# KiCad board kup-lulz.kicad_pcb (continued)
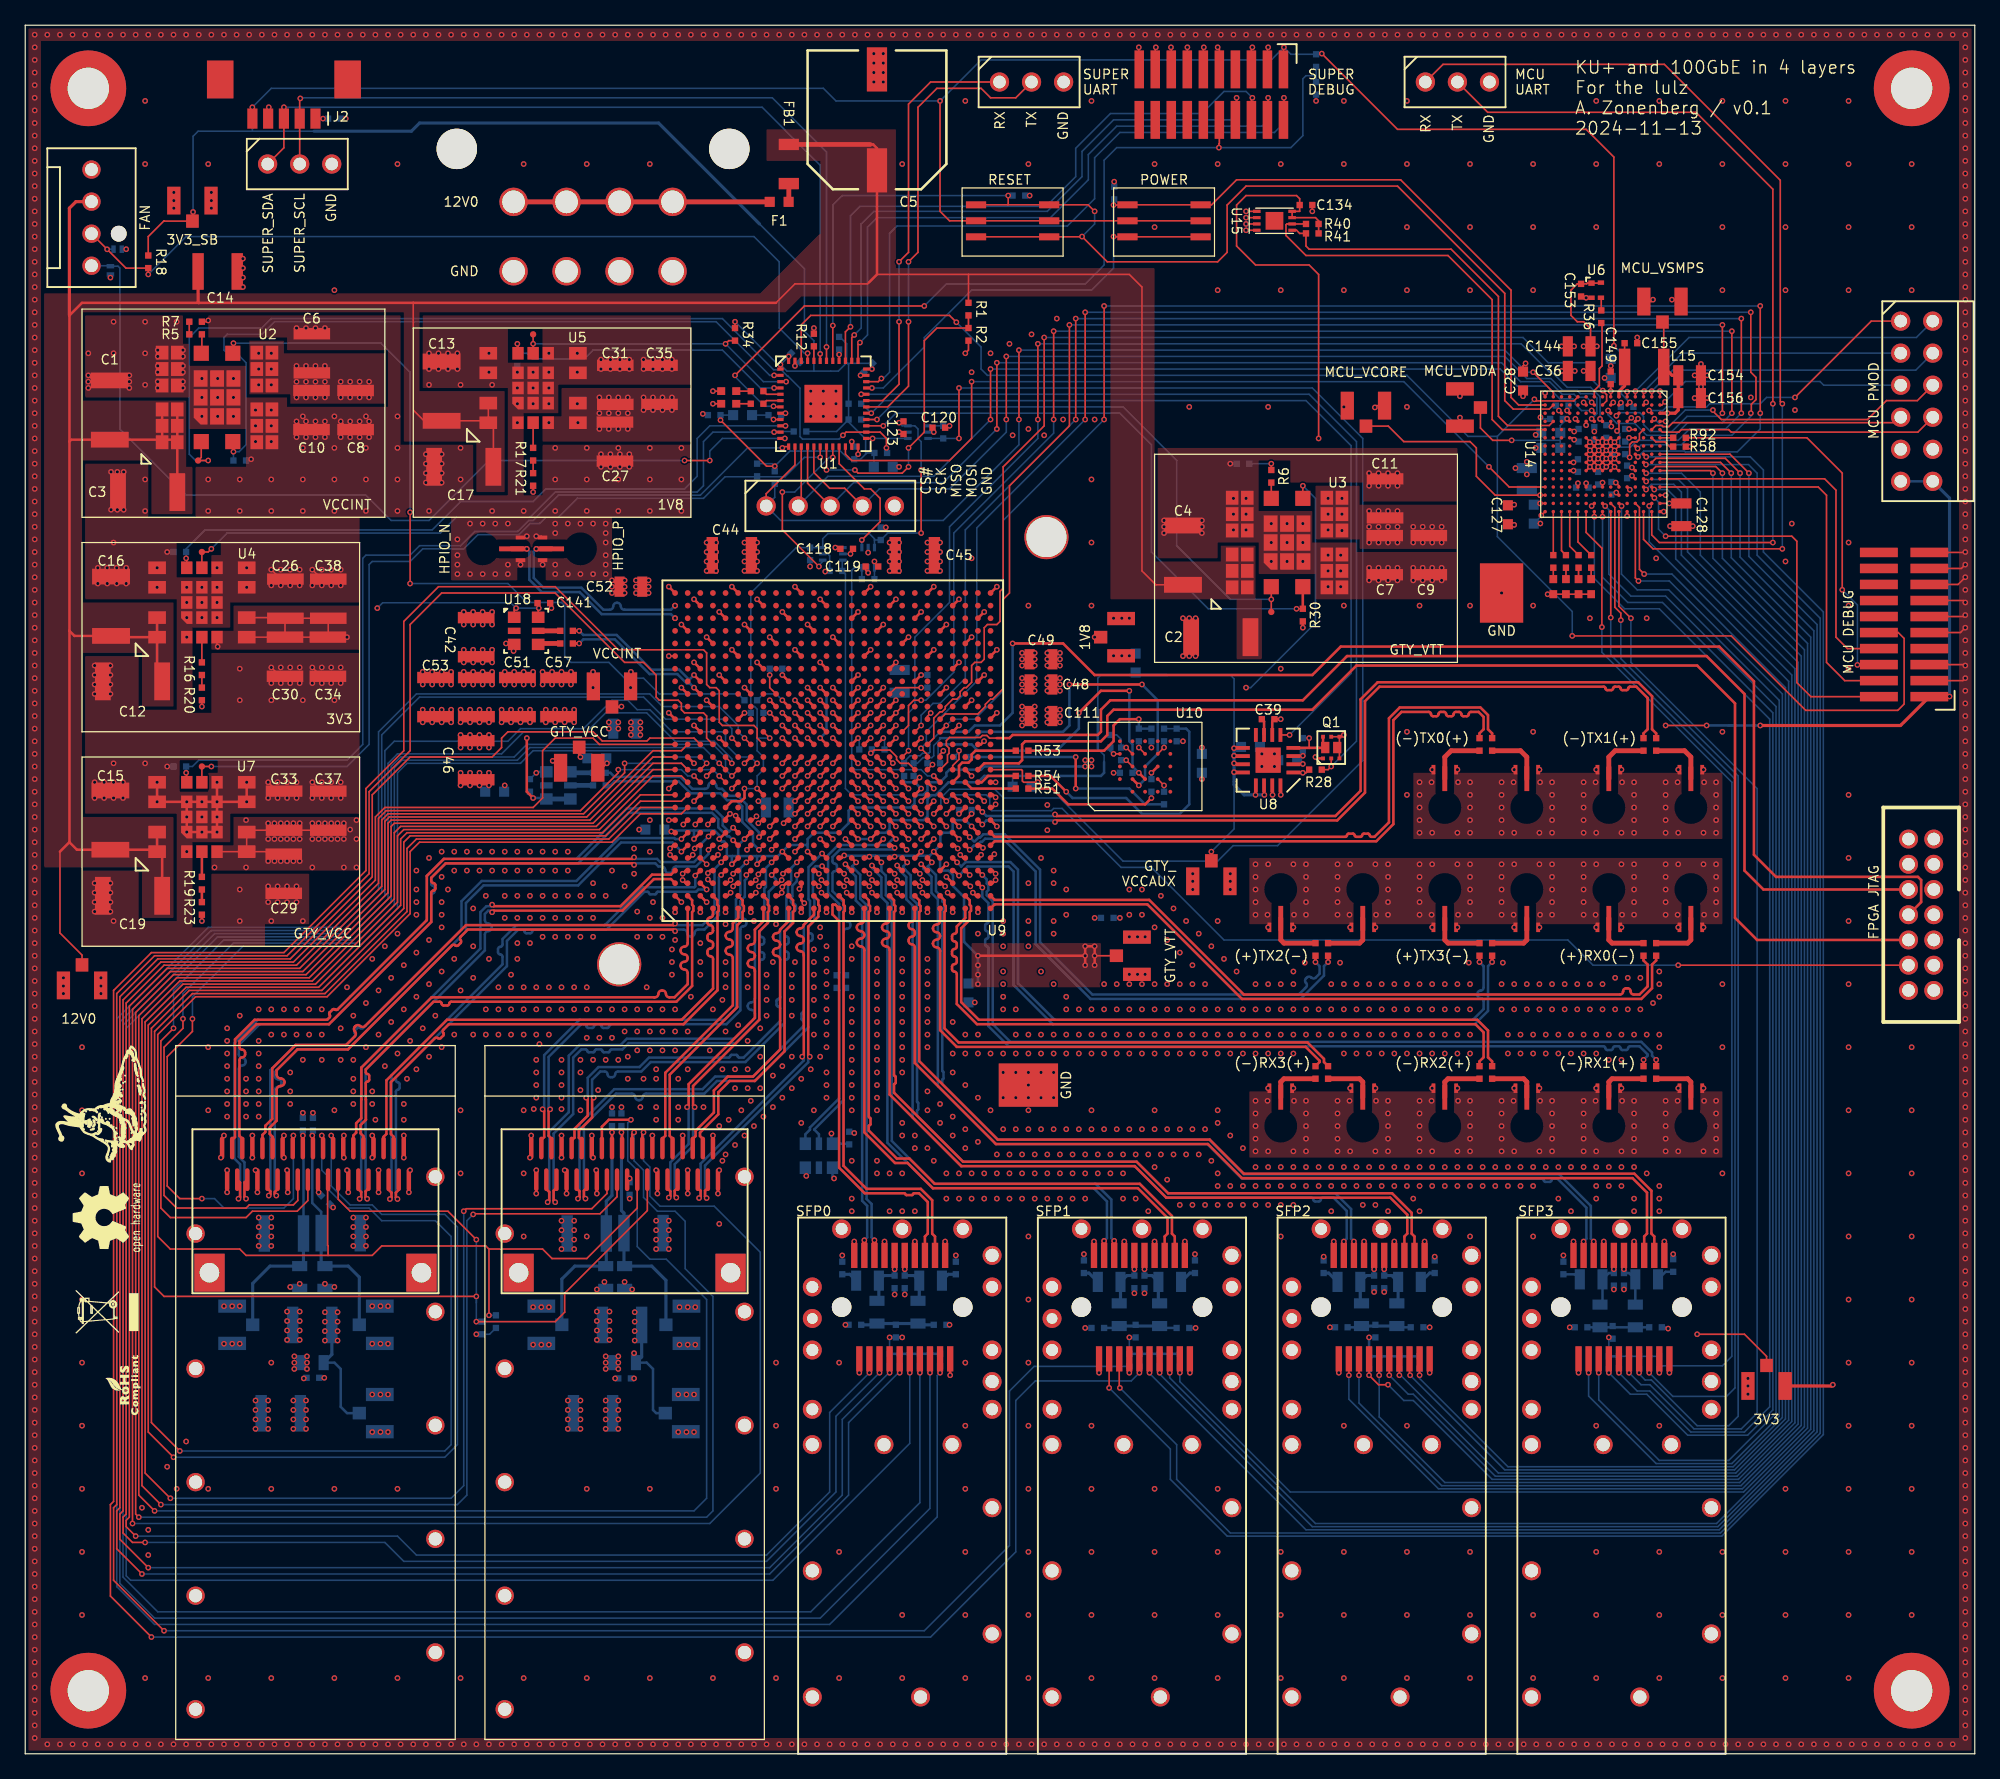
[diagram p0: board, top side]
## Placement (name value [footprint] x y rotation side) (continued)
C151  0.47 uF  [EIA_0402_CAP_NOSILK]  123.4 100.35 0 bottom
C152  0.47 uF  [EIA_0402_CAP_NOSILK]  125.7 100.3 270 bottom
C153  0.47 uF  [EIA_0402_CAP_NOSILK]  123.3 116 270 top
C154  10 uF  [EIA_0805_CAP_NOSILK]  131.9 109.25 0 top
C155  220 pF  [EIA_0402_CAP_NOSILK]  127.25 111.8 0 top
C156  10 uF  [EIA_0805_CAP_NOSILK]  131.9 107.45 0 top
C157  4.7 uF  [EIA_0603_CAP_NOSILK]  45.3 78.9 0 bottom
C158  4.7 uF  [EIA_0603_CAP_NOSILK]  74.75 60.3 270 bottom
C159  4.7 uF  [EIA_0603_CAP_NOSILK]  88 86.45 90 bottom
C160  4.7 uF  [EIA_0603_CAP_NOSILK]  79 76.65 0 bottom
C161  4.7 uF  [EIA_0603_CAP_NOSILK]  49.9 73.25 180 bottom
C162  4.7 uF  [EIA_0603_CAP_NOSILK]  37.2 76.25 180 bottom
D1  GREEN  [EIA_0402_LED]  55.75 108 0 top
D2  RED  [EIA_0402_LED]  55.75 107 0 top
D3  SZESD7471N2T5G  [SOD882]  7.32 119.25 180 bottom
D4  SZESD7471N2T5G  [SOD882]  6.75 117.58 90 bottom
D5  GREEN  [EIA_0402_LED]  124.1 92.5 90 top
D6  GREEN  [EIA_0402_LED]  123.1 92.5 90 top
D7  GREEN  [EIA_0402_LED]  122.1 92.5 90 top
D8  GREEN  [EIA_0402_LED]  121.1 92.5 90 top
F1  2A  [EIA_0603_CAP_NOSILK]  59.75 123 0 top
FB1  BLM31KN271SH1L  [EIA_1206_CAP_NOSILK]  60.5 126 90 top
FB2  MI0603J601R-10  [EIA_0603_INDUCTOR_NOSILK]  56.85 106.1 180 bottom
FB3  MI0603J601R-10  [EIA_0603_INDUCTOR_NOSILK]  120.9 103.5 0 bottom
J1  CONN_PCIE_PWR_8PIN  [CONN_MOLEX_MINIFITJR_8POS_0039291087]  45 123 180 top
J2  CONN_IBC_MGMT  [CONN_MOLEX_PICOBLADE_5POS_0532610571]  20.5 129.6 0 top
J3  CONN_01X03  [CONN_HEADER_2.54MM_1x3_REFLOW]  79.75 132.5 0 top
J4  CORTEX_DEBUG_ETM  [CONN_HEADER_1.27MM_2x10_SMT_SAMTEC_FTSH-110-01-L-DV-K]  148.9 89.5 90 top
J5  JUMPER_0402  [EIA_0402_JUMPER]  67.1 79.6 180 bottom
J6  XILINX_JTAG  [XILINX_JTAG_PTH_MOLEX_0878311420]  150.25 66.5 90 top
J7  CONN_SFP_HOST  [CONN_SFP+_AMPHENOL_UE76_A10_2000T]  107.5 34.5 90 top
J8  SFP_CAGE  [CONN_SFP_CAGE_TE_2007194-1]  69.5 34.5 90 top
J9  CONN_SFP_HOST  [CONN_SFP+_AMPHENOL_UE76_A10_2000T]  88.5 34.5 90 top
J10  SFP_CAGE  [CONN_SFP_CAGE_TE_2007194-1]  126.5 34.5 90 top
J11  CONN_SFP_HOST  [CONN_SFP+_AMPHENOL_UE76_A10_2000T]  69.5 34.5 90 top
J12  SFP_CAGE  [CONN_SFP_CAGE_TE_2007194-1]  107.5 34.5 90 top
J13  FAN_01  [CONN_MOLEX_KK_0470531000]  5.25 121.75 90 top
J14  SMPM  [CONN_SMPM_AMPHENOL_C925-197J-51PT]  44 95.5 270 top
J15  CONN_QSFP_HOST  [CONN_ZQSFP+_TE_1551920-2]  23 38.13 0 top
J16  CONN_QSFP_HOST  [CONN_ZQSFP+_TE_1551920-2]  47.5 38.13 0 top
J17  SMPM  [CONN_SMPM_AMPHENOL_C925-197J-51PT]  132 68.5 0 top
J18  SMPM  [CONN_SMPM_AMPHENOL_C925-197J-51PT]  125.5 68.5 0 top
J19  SMPM  [CONN_SMPM_AMPHENOL_C925-197J-51PT]  132 49.75 180 top
J20  SMPM  [CONN_SMPM_AMPHENOL_C925-197J-51PT]  125.5 49.75 180 top
J21  SMPM  [CONN_SMPM_AMPHENOL_C925-197J-51PT]  119 49.75 180 top
J22  SMPM  [CONN_SMPM_AMPHENOL_C925-197J-51PT]  112.5 49.75 180 top
J23  SMPM  [CONN_SMPM_AMPHENOL_C925-197J-51PT]  106 49.75 180 top
J24  SMPM  [CONN_SMPM_AMPHENOL_C925-197J-51PT]  99.5 49.75 180 top
J25  SMPM  [CONN_SMPM_AMPHENOL_C925-197J-51PT]  112.5 75 180 top
J26  SMPM  [CONN_SMPM_AMPHENOL_C925-197J-51PT]  119 75 180 top
J27  SMPM  [CONN_SMPM_AMPHENOL_C925-197J-51PT]  125.5 75 180 top
J28  SMPM  [CONN_SMPM_AMPHENOL_C925-197J-51PT]  132 75 180 top
J29  SMPM  [CONN_SMPM_AMPHENOL_C925-197J-51PT]  106 68.5 0 top
J30  SMPM  [CONN_SMPM_AMPHENOL_C925-197J-51PT]  99.5 68.5 0 top
J31  SMPM  [CONN_SMPM_AMPHENOL_C925-197J-51PT]  119 68.5 0 top
J32  SMPM  [CONN_SMPM_AMPHENOL_C925-197J-51PT]  112.5 68.5 0 top
J33  CONN_SFP_HOST  [CONN_SFP+_AMPHENOL_UE76_A10_2000T]  126.5 34.5 90 top
J34  SFP_CAGE  [CONN_SFP_CAGE_TE_2007194-1]  88.5 34.5 90 top
J35  QSFP_CAGE  [CONN_ZQSFP+_CAGE_TE_4-2170705-5]  23 38.13 0 top
J36  QSFP_CAGE  [CONN_ZQSFP+_CAGE_TE_4-2170705-5]  47.5 38.13 0 top
J38  PMOD_HOST  [CONN_HEADER_2.54MM_2x6_RA_PMOD_HOST]  149.9 107.2 90 top
J39  CONN_01X03  [CONN_HEADER_2.54MM_1x3_REFLOW]  113.5 132.5 0 top
J40  SMPM  [CONN_SMPM_AMPHENOL_C925-197J-51PT]  36.25 95.5 90 top
J41  CORTEX_DEBUG_ETM  [CONN_HEADER_1.27MM_2x10_SMT_SAMTEC_FTSH-110-01-L-DV-K]  94 131.5 180 top
L1  4.7 uH  [EIA_0805_INDUCTOR_NOSILK]  108.7 34.8 270 bottom
L2  4.7 uH  [EIA_0805_INDUCTOR_NOSILK]  105.9 34.8 270 bottom
L3  4.7 uH  [EIA_0805_INDUCTOR_NOSILK]  89.9 34.8 270 bottom
L4  4.7 uH  [EIA_0805_INDUCTOR_NOSILK]  86.7 34.8 270 bottom
L5  4.7 uH  [EIA_0805_INDUCTOR_NOSILK]  70.75 35 270 bottom
L6  4.7 uH  [EIA_0805_INDUCTOR_NOSILK]  67.5 35 270 bottom
L7  1 uH  [EIA_0805_INDUCTOR_NOSILK]  22.75 31 180 bottom
L8  1 uH  [EIA_0805_INDUCTOR_NOSILK]  23.75 37.75 270 bottom
L9  1 uH  [EIA_0805_INDUCTOR_NOSILK]  21.75 37.75 270 bottom
L10  1 uH  [EIA_0805_INDUCTOR_NOSILK]  47.5 31 180 bottom
L11  1 uH  [EIA_0805_INDUCTOR_NOSILK]  47.5 37.75 270 bottom
L12  1 uH  [EIA_0805_INDUCTOR_NOSILK]  46 37.75 270 bottom
L13  4.7 uH  [EIA_0805_INDUCTOR_NOSILK]  127.6 34.7 270 bottom
L14  4.7 uH  [EIA_0805_INDUCTOR_NOSILK]  124.8 34.7 270 bottom
L15  2.2 uH  [EIA_1210_CAP_NOSILK]  128.3 109.9 180 top
M1  HEATSINK  [HEATSINK_WAKEFIELDVETTE_960-27-12-D-AB-0]  64 79.5 0 top
M2  SCREWHOLE  [MECHANICAL_CLEARANCEHOLE_4_40]  5 5 0 top
M3  SCREWHOLE  [MECHANICAL_CLEARANCEHOLE_4_40]  149.5 5 0 top
M4  SCREWHOLE  [MECHANICAL_CLEARANCEHOLE_4_40]  5 132 0 top
M5  SCREWHOLE  [MECHANICAL_CLEARANCEHOLE_4_40]  149.5 132 0 top
M6  LOGO  [LONGTHING-1200DPI]  6.38 52.05 90 top
M7  LOGO  [Logo_silk_ROHS_5x2.8mm]  7.75 29.25 90 top
M8  LOGO  [Logo_silk_OSHW_6x6mm]  6 42.5 90 top
M9  LOGO  [Logo_silk_WEEE_3.4x5mm]  6.5 35 90 top
Q1  SSM6N58NU  [DFN_6_0.65MM_2x2MM_GDS]  103.5 79.75 0 top
R1  33K  [EIA_0402_RES_NOSILK]  74.75 114.5 270 top
R2  8.06K  [EIA_0402_RES_NOSILK]  74.75 112.5 270 top
R3  10K  [EIA_0402_RES_NOSILK]  78.75 123.5 180 bottom
R4  10K  [EIA_0402_RES_NOSILK]  86.3 123.7 270 bottom
R5  24.9k  [EIA_0402_RES_NOSILK]  13.5 112.5 180 top
R6  10K  [EIA_0402_RES_NOSILK]  98.75 101.25 90 top
R7  1.2k  [EIA_0402_RES_NOSILK]  13.5 113.5 180 top
R8  620  [EIA_0402_RES_NOSILK]  96.5 102.25 0 bottom
R9  100K  [EIA_0402_RES_NOSILK]  59.4 101.15 90 bottom
R10  0  [EIA_0402_RES_NOSILK]  57.5 83.5 0 bottom
R11  0  [EIA_0402_RES_NOSILK]  85.75 66.25 180 bottom
R12  10K  [EIA_0402_RES_NOSILK]  62.5 112.05 90 top
R13  33K  [EIA_0402_RES_NOSILK]  58 108 0 top
R14  4.7K  [EIA_0402_RES_NOSILK]  58 107 0 top
R15  DNP  [EIA_0402_RES_NOSILK]  102.3 134.2 270 bottom
R16  2.2k  [EIA_0402_RES_NOSILK]  14 86 270 top
R17  4.7k  [EIA_0402_RES_NOSILK]  40.25 103 270 top
R18  10K  [EIA_0402_RES_NOSILK]  9.75 118.25 90 top
R19  20k  [EIA_0402_RES_NOSILK]  14 69 270 top
R20  22  [EIA_0402_RES_NOSILK]  14 84 90 top
R21  300  [EIA_0402_RES_NOSILK]  40.25 101 90 top
R22  10K  [EIA_0402_RES_NOSILK]  64.5 111.8 90 bottom
R23  0  [EIA_0402_RES_NOSILK]  14 67 90 top
R24  10K  [EIA_0402_RES_NOSILK]  61.4 104.8 0 bottom
R25  1K  [EIA_0402_RES_NOSILK]  12.25 95.25 180 bottom
R26  DNP  [EIA_0402_RES_NOSILK]  67.8 103.1 180 bottom
R27  1K  [EIA_0402_RES_NOSILK]  17 102.5 0 bottom
R28  1K  [EIA_0402_RES_NOSILK]  102.25 78 180 top
R29  DNP  [EIA_0402_RES_NOSILK]  65.75 105.75 180 bottom
R30  1K  [EIA_0402_RES_NOSILK]  101.25 90.25 270 top
R31  1K  [EIA_0402_RES_NOSILK]  101.25 80 90 bottom
R32  1K  [EIA_0402_RES_NOSILK]  12.25 78.25 180 bottom
R33  10K  [EIA_0402_RES_NOSILK]  58 101.75 90 bottom
R34  10K  [EIA_0402_RES_NOSILK]  56.25 112.5 90 top
R35  1K  [EIA_0402_RES_NOSILK]  39 110.5 270 bottom
R36  33  [EIA_0402_RES_NOSILK]  124.9 113.9 90 top
R37  10K  [EIA_0402_RES_NOSILK]  126.3 103 0 bottom
R38  10K  [EIA_0402_RES_NOSILK]  65.75 107 180 bottom
R39  1K  [EIA_0402_RES_NOSILK]  24.5 129.6 0 bottom
R40  4.7K  [EIA_0402_RES_NOSILK]  102 121.25 0 top
R41  4.7K  [EIA_0402_RES_NOSILK]  102 120.5 0 top
R42  4.7K  [EIA_0402_RES_NOSILK]  37.3 34.25 270 bottom
R43  4.7K  [EIA_0402_RES_NOSILK]  86 80.25 270 bottom
R44  33  [EIA_0402_RES_NOSILK]  69.65 78 270 bottom
R45  33  [EIA_0402_RES_NOSILK]  89.25 76.75 270 bottom
R46  33  [EIA_0402_RES_NOSILK]  90.25 75.75 270 bottom
R47  33  [EIA_0402_RES_NOSILK]  88.25 80.75 90 bottom
R48  33  [EIA_0402_RES_NOSILK]  90.25 80.75 90 bottom
R49  33  [EIA_0402_RES_NOSILK]  72 78.5 0 bottom
R50  33  [EIA_0402_RES_NOSILK]  70.4 78 90 bottom
R51  33  [EIA_0402_RES_NOSILK]  79 76.5 0 top
R52  33  [EIA_0402_RES_NOSILK]  74.1 79 0 bottom
R53  33  [EIA_0402_RES_NOSILK]  79 79.5 0 top
R54  33  [EIA_0402_RES_NOSILK]  79 77.5 0 top
R55  4.7K  [EIA_0402_RES_NOSILK]  87.25 77.75 180 bottom
R56  4.7K  [EIA_0402_RES_NOSILK]  89.25 80.75 270 bottom
R57  4.7K  [EIA_0402_RES_NOSILK]  91.25 80.75 270 bottom
R58  10K  [EIA_0402_RES_NOSILK]  131.1 103.6 0 top
R59  33K  [EIA_0402_RES_NOSILK]  124.1 94.5 270 top
R60  1K  [EIA_0402_RES_NOSILK]  108.9 31 270 bottom
R61  1K  [EIA_0402_RES_NOSILK]  110.5 31 270 bottom
R62  0.1  [EIA_0402_RES_NOSILK]  107 33.5 270 bottom
R63  0.5  [EIA_0402_RES_NOSILK]  111.7 38.6 270 bottom
R64  0.5  [EIA_0402_RES_NOSILK]  102.9 38.6 270 bottom
R65  4.7K  [EIA_0402_RES_NOSILK]  106.5 31 90 bottom
R66  4.7K  [EIA_0402_RES_NOSILK]  107.3 31 90 bottom
R67  1K  [EIA_0402_RES_NOSILK]  89.9 31.2 270 bottom
R68  1K  [EIA_0402_RES_NOSILK]  91.5 31.2 270 bottom
R69  0.1  [EIA_0402_RES_NOSILK]  88 33.5 270 bottom
R70  0.5  [EIA_0402_RES_NOSILK]  92.7 38.6 270 bottom
R71  0.5  [EIA_0402_RES_NOSILK]  83.9 38.6 270 bottom
R72  4.7K  [EIA_0402_RES_NOSILK]  87.5 31.2 90 bottom
R73  4.7K  [EIA_0402_RES_NOSILK]  88.3 31.2 90 bottom
R74  1K  [EIA_0402_RES_NOSILK]  70.9 31.2 270 bottom
R75  1K  [EIA_0402_RES_NOSILK]  72.5 31.2 270 bottom
R76  0.1  [EIA_0402_RES_NOSILK]  69 33.5 270 bottom
R77  0.5  [EIA_0402_RES_NOSILK]  73.75 38.5 270 bottom
R78  0.5  [EIA_0402_RES_NOSILK]  64.75 38.5 270 bottom
R79  4.7K  [EIA_0402_RES_NOSILK]  68.5 31.2 90 bottom
R80  4.7K  [EIA_0402_RES_NOSILK]  69.3 31.2 90 bottom
R81  100  [EIA_0402_RES_NOSILK]  74.5 74.8 180 bottom
R82  1K  [EIA_0402_RES_NOSILK]  127.9 31 270 bottom
R83  1K  [EIA_0402_RES_NOSILK]  129.5 31 270 bottom
R84  0.1  [EIA_0402_RES_NOSILK]  125.8 33.4 270 bottom
R85  0.5  [EIA_0402_RES_NOSILK]  130.6 38.7 270 bottom
R86  0.5  [EIA_0402_RES_NOSILK]  121.9 38.5 270 bottom
R87  4.7K  [EIA_0402_RES_NOSILK]  125.5 31 90 bottom
R88  4.7K  [EIA_0402_RES_NOSILK]  126.3 31 90 bottom
R89  4.7K  [EIA_0402_RES_NOSILK]  64.25 93.75 180 bottom
R90  4.7K  [EIA_0402_RES_NOSILK]  66.8 93.1 0 bottom
R91  4.7K  [EIA_0402_RES_NOSILK]  72.75 104.75 90 bottom
R92  33  [EIA_0402_RES_NOSILK]  131.1 104.3 180 top
R93  33K  [EIA_0402_RES_NOSILK]  123.1 94.5 270 top
R94  4.7K  [EIA_0402_RES_NOSILK]  36.15 33.75 270 bottom
R95  1K  [EIA_0402_RES_NOSILK]  58 82.5 0 bottom
R96  1K  [EIA_0402_RES_NOSILK]  59.5 86 180 bottom
R97  1K  [EIA_0402_RES_NOSILK]  71.5 85 270 bottom
R98  33K  [EIA_0402_RES_NOSILK]  122.1 94.5 270 top
R99  33K  [EIA_0402_RES_NOSILK]  121.1 94.5 270 top
SW1  SWITCH  [SWITCH_RAFI_MICON_5]  78.25 121.5 90 top
SW2  SWITCH  [SWITCH_RAFI_MICON_5]  90.25 121.5 90 top
TP1  TESTPOINT  [TESTPOINT_SMT_0.5MM]  13.7 102.5 0 top
TP2  TESTPOINT  [TESTPOINT_SMT_0.5MM]  98.75 90.5 0 top
TP3  TESTPOINT  [TESTPOINT_SMT_0.5MM]  14 95.25 0 top
TP4  TESTPOINT  [TESTPOINT_SMT_0.5MM]  40.25 112.5 0 top
TP5  U.FL  [CONN_U.FL_TE_1909763-1]  106.25 106.75 0 top
TP6  TESTPOINT  [TESTPOINT_SMT_0.5MM]  14 78.25 0 top
TP7  CONN_01X03  [CONN_HEADER_2.54MM_1x3_REFLOW]  21.75 126 0 top
TP8  CONN_01X05  [CONN_HEADER_2.54MM_1x5_REFLOW]  63.8 98.9 0 top
TP9  U.FL  [CONN_U.FL_TE_1909763-1]  4.5 61 180 top
TP10  U.FL  [CONN_U.FL_TE_1909763-1]  46.5 84.5 0 top
TP11  U.FL  [CONN_U.FL_TE_1909763-1]  138 29.25 180 top
TP12  U.FL  [CONN_U.FL_TE_1909763-1]  94 69.25 180 top
TP13  U.FL  [CONN_U.FL_TE_1909763-1]  13.25 123 0 top
TP14  U.FL  [CONN_U.FL_TE_1909763-1]  88 63.25 270 top
TP15  U.FL  [CONN_U.FL_TE_1909763-1]  86.75 88.5 270 top
TP16  U.FL  [CONN_U.FL_TE_1909763-1]  43.9 78.25 180 top
TP17  U.FL  [CONN_U.FL_TE_1909763-1]  129.75 115 0 top
TP18  U.FL  [CONN_U.FL_TE_1909763-1]  28 27 90 bottom
TP19  U.FL  [CONN_U.FL_TE_1909763-1]  28 34 90 bottom
TP20  U.FL  [CONN_U.FL_TE_1909763-1]  16.5 34 270 bottom
TP21  U.FL  [CONN_U.FL_TE_1909763-1]  52.25 27 90 bottom
TP22  U.FL  [CONN_U.FL_TE_1909763-1]  52.3 34 90 bottom
TP23  U.FL  [CONN_U.FL_TE_1909763-1]  41 34 270 bottom
TP24  TESTCLIP  [TESTPOINT_SMT_KEYSTONE_5016]  79.5 53 0 top
TP25  TESTCLIP  [TESTPOINT_SMT_KEYSTONE_5016]  117 92 90 top
TP26  U.FL  [CONN_U.FL_TE_1909763-1]  113.8 106.7 90 top
U1  STM32L431-QFN48  [QFN_48_0.5MM_7x7MM]  63.25 107 0 top
U2  MYMGK1R812ERSR  [MODULE_MURATA_MYMGK1R812]  15.2 107.5 90 top
U3  MYMGK1R812ERSR  [MODULE_MURATA_MYMGK1R812]  100 96 90 top
U4  MYMGK00506ERSR  [MODULE_MURATA_MYMGK00504ERSR]  14 91.25 90 top
U5  MYMGK00504ERSR  [MODULE_MURATA_MYMGK00504ERSR]  40.25 108.25 90 top
U6  ECS-1612MV-250-CN  [OSCILLATOR_1.6x1.2]  124.5 116 270 top
U7  MYMGK00504ERSR  [MODULE_MURATA_MYMGK00504ERSR]  14 74.25 90 top
U8  ADP1740ACPZ-1.8-R7  [QFN_16_0.65MM_4x4MM]  98.5 78.75 180 top
U9  XILINX_ULTRASCALEPLUS_B676  [BGA_676_27x27_FULLARRAY_1MM_FFG676]  64 79.5 90 top
U10  MT25QU256ABA8E12-0AUT  [BGA_24_6x8_DEPOP1_1MM]  88.75 78.25 90 top
U11  74LVC1T45  [DFN_6_0.5MM_1.6x1.6MM_TI_DPK]  64 95.1 270 bottom
U12  74LVC1T45  [DFN_6_0.5MM_1.6x1.6MM_TI_DPK]  66.8 94.8 180 bottom
U13  74LVC1T45  [DFN_6_0.5MM_1.6x1.6MM_TI_DPK]  70.75 104.75 270 bottom
U14  STM32H735-UFBGA176-25  [BGA_201_10x10_DEPOP_0.65MM_OSHPARK]  125 103 270 top
U15  AT24MAC402  [DFN_8_0.5MM_2x3MM_TALL]  99 121.5 270 top
U16  SIT9121AI-2BF-XXS156.250000G  [OSCILLATOR_LVDS_3.2x2.5]  62.9 47.4 180 bottom
U17  SIT9121AI-2BF-XXS156.250000G  [OSCILLATOR_LVDS_3.2x2.5]  42.25 76.75 90 bottom
U18  SIT9121AI-2BF-XXS156.250000G  [OSCILLATOR_LVDS_3.2x2.5]  39.7 89 270 top

## Library data of the parts
C1-C4 C6-C162 = -: ki_fp_filters: C_*
C5 = -: ki_fp_filters: CP_*
D1 D2 = -: ki_fp_filters: LED*
D3 D4 = -: Datasheet: https://en.wikipedia.org/wiki/Transient-voltage-suppression_diode; ki_fp_filters: TO-???* *SingleDiode *_Diode_* *SingleDiode* D_*
D5-D8 = -: Description: LED generic; ki_fp_filters: LED*
J3 J5 J8 J10 J12 J13 J34-J36 J39 M2-M5 TP1-TP4 TP6-TP8 TP24 TP25 = -: ki_fp_filters: Pin_Header_Straight_1X* Pin_Header_Angled_1X* Socket_Strip_Straight_1X* Socket_Strip_Angled_1X*
J14 J17-J32 J40 TP5 TP9-TP23 TP26 = -: ki_fp_filters: *BNC* *SMA* *SMB* *SMC* *Cinch*
R1-R58 R60-R92 R94-R97 = -: ki_fp_filters: R_* R_*
R59 R93 R98 R99 = -: Description: Resistor; ki_fp_filters: R_* R_*
U15 = -: ki_fp_filters: SOT23-5

## Footprints (pads in the part's own frame, mm; a bottom-side part is the same pattern mirrored in y, then rotated)
BGA_24_6x8_DEPOP1_1MM
  round 0.3 smd: A2(-1,2) A3(0,2) A4(1,2) A5(2,2) B1(-2,1) B2(-1,1) B3(0,1) B4(1,1) B5(2,1) C1(-2,0) C2(-1,0) C3(0,0) C4(1,0) C5(2,0) D1(-2,-1) D2(-1,-1) D3(0,-1) D4(1,-1) D5(2,-1) E1(-2,-2) E2(-1,-2) E3(0,-2) E4(1,-2) E5(2,-2)
BGA_201_10x10_DEPOP_0.65MM_OSHPARK
  round 0.275 smd: A1(-4.55,4.55) A2(-3.9,4.55) A3(-3.25,4.55) A4(-2.6,4.55) A5(-1.95,4.55) A6(-1.3,4.55) A7(-0.65,4.55) A8(0,4.55) A9(0.65,4.55) A10(1.3,4.55) A11(1.95,4.55) A12(2.6,4.55) A13(3.25,4.55) A14(3.9,4.55) A15(4.55,4.55) B1(-4.55,3.9) B2(-3.9,3.9) B3(-3.25,3.9) B4(-2.6,3.9) B5(-1.95,3.9) B6(-1.3,3.9) B7(-0.65,3.9) B8(0,3.9) B9(0.65,3.9) B10(1.3,3.9) B11(1.95,3.9) B12(2.6,3.9) B13(3.25,3.9) B14(3.9,3.9) B15(4.55,3.9) C1(-4.55,3.25) C2(-3.9,3.25) C3(-3.25,3.25) C4(-2.6,3.25) C5(-1.95,3.25) C6(-1.3,3.25) C7(-0.65,3.25) C8(0,3.25) C9(0.65,3.25) C10(1.3,3.25) C11(1.95,3.25) C12(2.6,3.25) C13(3.25,3.25) C14(3.9,3.25) C15(4.55,3.25) D1(-4.55,2.6) D2(-3.9,2.6) D3(-3.25,2.6) D4(-2.6,2.6) D5(-1.95,2.6) D6(-1.3,2.6) D7(-0.65,2.6) D8(0,2.6) D9(0.65,2.6) D10(1.3,2.6) D11(1.95,2.6) D12(2.6,2.6) D13(3.25,2.6) D14(3.9,2.6) D15(4.55,2.6) E1(-4.55,1.95) E2(-3.9,1.95) E3(-3.25,1.95) E4(-2.6,1.95) E12(2.6,1.95) E13(3.25,1.95) E14(3.9,1.95) E15(4.55,1.95) F1(-4.55,1.3) F2(-3.9,1.3) F3(-3.25,1.3) F4(-2.6,1.3) F6(-1.3,1.3) F7(-0.65,1.3) F8(0,1.3) F9(0.65,1.3) F10(1.3,1.3) F12(2.6,1.3) F13(3.25,1.3) F14(3.9,1.3) F15(4.55,1.3) G1(-4.55,0.65) G2(-3.9,0.65) G3(-3.25,0.65) G4(-2.6,0.65) G6(-1.3,0.65) G7(-0.65,0.65) G8(0,0.65) G9(0.65,0.65) G10(1.3,0.65) G12(2.6,0.65) G13(3.25,0.65) G14(3.9,0.65) G15(4.55,0.65) H1(-4.55,0) H2(-3.9,0) H3(-3.25,0) H4(-2.6,0) H6(-1.3,0) H7(-0.65,0) H8(0,0) H9(0.65,0) H10(1.3,0) H12(2.6,0) H13(3.25,0) H14(3.9,0) H15(4.55,0) J1(-4.55,-0.65) J2(-3.9,-0.65) J3(-3.25,-0.65) J4(-2.6,-0.65) J6(-1.3,-0.65) J7(-0.65,-0.65) J8(0,-0.65) J9(0.65,-0.65) J10(1.3,-0.65) J12(2.6,-0.65) J13(3.25,-0.65) J14(3.9,-0.65) J15(4.55,-0.65) K1(-4.55,-1.3) K2(-3.9,-1.3) K3(-3.25,-1.3) K4(-2.6,-1.3) K6(-1.3,-1.3) K7(-0.65,-1.3) K8(0,-1.3) K9(0.65,-1.3) K10(1.3,-1.3) K12(2.6,-1.3) K13(3.25,-1.3) K14(3.9,-1.3) K15(4.55,-1.3) L1(-4.55,-1.95) L2(-3.9,-1.95) L3(-3.25,-1.95) L4(-2.6,-1.95) L12(2.6,-1.95) L13(3.25,-1.95) L14(3.9,-1.95) L15(4.55,-1.95) M1(-4.55,-2.6) M2(-3.9,-2.6) M3(-3.25,-2.6) M4(-2.6,-2.6) M5(-1.95,-2.6) M6(-1.3,-2.6) M7(-0.65,-2.6) M8(0,-2.6) M9(0.65,-2.6) M10(1.3,-2.6) M11(1.95,-2.6) M12(2.6,-2.6) M13(3.25,-2.6) M14(3.9,-2.6) M15(4.55,-2.6) N1(-4.55,-3.25) N2(-3.9,-3.25) N3(-3.25,-3.25) N4(-2.6,-3.25) N5(-1.95,-3.25) N6(-1.3,-3.25) N7(-0.65,-3.25) N8(0,-3.25) N9(0.65,-3.25) N10(1.3,-3.25) N11(1.95,-3.25) N12(2.6,-3.25) N13(3.25,-3.25) N14(3.9,-3.25) N15(4.55,-3.25) P1(-4.55,-3.9) P2(-3.9,-3.9) P3(-3.25,-3.9) P4(-2.6,-3.9) P5(-1.95,-3.9) P6(-1.3,-3.9) P7(-0.65,-3.9) P8(0,-3.9) P9(0.65,-3.9) P10(1.3,-3.9) P11(1.95,-3.9) P12(2.6,-3.9) P13(3.25,-3.9) P14(3.9,-3.9) P15(4.55,-3.9) R1(-4.55,-4.55) R2(-3.9,-4.55) R3(-3.25,-4.55) R4(-2.6,-4.55) R5(-1.95,-4.55) R6(-1.3,-4.55) R7(-0.65,-4.55) R8(0,-4.55) R9(0.65,-4.55) R10(1.3,-4.55) R11(1.95,-4.55) R12(2.6,-4.55) R13(3.25,-4.55) R14(3.9,-4.55) R15(4.55,-4.55)
BGA_676_27x27_FULLARRAY_1MM_FFG676
  round 0.45 smd: A1(-12.5,12.5) A2(-11.5,12.5) A3(-10.5,12.5) A4(-9.5,12.5) A5(-8.5,12.5) A6(-7.5,12.5) A7(-6.5,12.5) A8(-5.5,12.5) A9(-4.5,12.5) A10(-3.5,12.5) A11(-2.5,12.5) A12(-1.5,12.5) A13(-0.5,12.5) A14(0.5,12.5) A15(1.5,12.5) A16(2.5,12.5) A17(3.5,12.5) A18(4.5,12.5) A19(5.5,12.5) A20(6.5,12.5) A21(7.5,12.5) A22(8.5,12.5) A23(9.5,12.5) A24(10.5,12.5) A25(11.5,12.5) A26(12.5,12.5) AA1(-12.5,-7.5) AA2(-11.5,-7.5) AA3(-10.5,-7.5) AA4(-9.5,-7.5) AA5(-8.5,-7.5) AA6(-7.5,-7.5) AA7(-6.5,-7.5) AA8(-5.5,-7.5) AA9(-4.5,-7.5) AA10(-3.5,-7.5) AA11(-2.5,-7.5) AA12(-1.5,-7.5) AA13(-0.5,-7.5) AA14(0.5,-7.5) AA15(1.5,-7.5) AA16(2.5,-7.5) AA17(3.5,-7.5) AA18(4.5,-7.5) AA19(5.5,-7.5) AA20(6.5,-7.5) AA21(7.5,-7.5) AA22(8.5,-7.5) AA23(9.5,-7.5) AA24(10.5,-7.5) AA25(11.5,-7.5) AA26(12.5,-7.5) AB1(-12.5,-8.5) AB2(-11.5,-8.5) AB3(-10.5,-8.5) AB4(-9.5,-8.5) AB5(-8.5,-8.5) AB6(-7.5,-8.5) AB7(-6.5,-8.5) AB8(-5.5,-8.5) AB9(-4.5,-8.5) AB10(-3.5,-8.5) AB11(-2.5,-8.5) AB12(-1.5,-8.5) AB13(-0.5,-8.5) AB14(0.5,-8.5) AB15(1.5,-8.5) AB16(2.5,-8.5) AB17(3.5,-8.5) AB18(4.5,-8.5) AB19(5.5,-8.5) AB20(6.5,-8.5) AB21(7.5,-8.5) AB22(8.5,-8.5) AB23(9.5,-8.5) AB24(10.5,-8.5) AB25(11.5,-8.5) AB26(12.5,-8.5) AC1(-12.5,-9.5) AC2(-11.5,-9.5) AC3(-10.5,-9.5) AC4(-9.5,-9.5) AC5(-8.5,-9.5) AC6(-7.5,-9.5) AC7(-6.5,-9.5) AC8(-5.5,-9.5) AC9(-4.5,-9.5) AC10(-3.5,-9.5) AC11(-2.5,-9.5) AC12(-1.5,-9.5) AC13(-0.5,-9.5) AC14(0.5,-9.5) AC15(1.5,-9.5) AC16(2.5,-9.5) AC17(3.5,-9.5) AC18(4.5,-9.5) AC19(5.5,-9.5) AC20(6.5,-9.5) AC21(7.5,-9.5) AC22(8.5,-9.5) AC23(9.5,-9.5) AC24(10.5,-9.5) AC25(11.5,-9.5) AC26(12.5,-9.5) AD1(-12.5,-10.5) AD2(-11.5,-10.5) AD3(-10.5,-10.5) AD4(-9.5,-10.5) AD5(-8.5,-10.5) AD6(-7.5,-10.5) AD7(-6.5,-10.5) AD8(-5.5,-10.5) AD9(-4.5,-10.5) AD10(-3.5,-10.5) AD11(-2.5,-10.5) AD12(-1.5,-10.5) AD13(-0.5,-10.5) AD14(0.5,-10.5) AD15(1.5,-10.5) AD16(2.5,-10.5) AD17(3.5,-10.5) AD18(4.5,-10.5) AD19(5.5,-10.5) AD20(6.5,-10.5) AD21(7.5,-10.5) AD22(8.5,-10.5) AD23(9.5,-10.5) AD24(10.5,-10.5) AD25(11.5,-10.5) AD26(12.5,-10.5) AE1(-12.5,-11.5) AE2(-11.5,-11.5) AE3(-10.5,-11.5) AE4(-9.5,-11.5) AE5(-8.5,-11.5) AE6(-7.5,-11.5) AE7(-6.5,-11.5) AE8(-5.5,-11.5) AE9(-4.5,-11.5) AE10(-3.5,-11.5) AE11(-2.5,-11.5) AE12(-1.5,-11.5) AE13(-0.5,-11.5) AE14(0.5,-11.5) AE15(1.5,-11.5) AE16(2.5,-11.5) AE17(3.5,-11.5) AE18(4.5,-11.5) AE19(5.5,-11.5) AE20(6.5,-11.5) AE21(7.5,-11.5) AE22(8.5,-11.5) AE23(9.5,-11.5) AE24(10.5,-11.5) AE25(11.5,-11.5) AE26(12.5,-11.5) AF1(-12.5,-12.5) AF2(-11.5,-12.5) AF3(-10.5,-12.5) AF4(-9.5,-12.5) AF5(-8.5,-12.5) AF6(-7.5,-12.5) AF7(-6.5,-12.5) AF8(-5.5,-12.5) AF9(-4.5,-12.5) AF10(-3.5,-12.5) AF11(-2.5,-12.5) AF12(-1.5,-12.5) AF13(-0.5,-12.5) AF14(0.5,-12.5) AF15(1.5,-12.5) AF16(2.5,-12.5) AF17(3.5,-12.5) AF18(4.5,-12.5) AF19(5.5,-12.5) AF20(6.5,-12.5) AF21(7.5,-12.5) AF22(8.5,-12.5) AF23(9.5,-12.5) AF24(10.5,-12.5) AF25(11.5,-12.5) AF26(12.5,-12.5) B1(-12.5,11.5) B2(-11.5,11.5) B3(-10.5,11.5) B4(-9.5,11.5) B5(-8.5,11.5) B6(-7.5,11.5) B7(-6.5,11.5) B8(-5.5,11.5) B9(-4.5,11.5) B10(-3.5,11.5) B11(-2.5,11.5) B12(-1.5,11.5) B13(-0.5,11.5) B14(0.5,11.5) B15(1.5,11.5) B16(2.5,11.5) B17(3.5,11.5) B18(4.5,11.5) B19(5.5,11.5) B20(6.5,11.5) B21(7.5,11.5) B22(8.5,11.5) B23(9.5,11.5) B24(10.5,11.5) B25(11.5,11.5) B26(12.5,11.5) C1(-12.5,10.5) C2(-11.5,10.5) C3(-10.5,10.5) C4(-9.5,10.5) C5(-8.5,10.5) C6(-7.5,10.5) C7(-6.5,10.5) C8(-5.5,10.5) C9(-4.5,10.5) C10(-3.5,10.5) C11(-2.5,10.5) C12(-1.5,10.5) C13(-0.5,10.5) C14(0.5,10.5) C15(1.5,10.5) C16(2.5,10.5) C17(3.5,10.5) C18(4.5,10.5) C19(5.5,10.5) C20(6.5,10.5) C21(7.5,10.5) C22(8.5,10.5) C23(9.5,10.5) C24(10.5,10.5) C25(11.5,10.5) C26(12.5,10.5) D1(-12.5,9.5) D2(-11.5,9.5) D3(-10.5,9.5) D4(-9.5,9.5) D5(-8.5,9.5) D6(-7.5,9.5) D7(-6.5,9.5) D8(-5.5,9.5) D9(-4.5,9.5) D10(-3.5,9.5) D11(-2.5,9.5) D12(-1.5,9.5) D13(-0.5,9.5) D14(0.5,9.5) D15(1.5,9.5) D16(2.5,9.5) D17(3.5,9.5) D18(4.5,9.5) D19(5.5,9.5) D20(6.5,9.5) D21(7.5,9.5) D22(8.5,9.5) D23(9.5,9.5) D24(10.5,9.5) D25(11.5,9.5) D26(12.5,9.5) E1(-12.5,8.5) E2(-11.5,8.5) E3(-10.5,8.5) E4(-9.5,8.5) E5(-8.5,8.5) E6(-7.5,8.5) E7(-6.5,8.5) E8(-5.5,8.5) E9(-4.5,8.5) E10(-3.5,8.5) E11(-2.5,8.5) E12(-1.5,8.5) E13(-0.5,8.5) E14(0.5,8.5) E15(1.5,8.5) E16(2.5,8.5) E17(3.5,8.5) E18(4.5,8.5) E19(5.5,8.5) E20(6.5,8.5) E21(7.5,8.5) E22(8.5,8.5) E23(9.5,8.5) E24(10.5,8.5) E25(11.5,8.5) E26(12.5,8.5) F1(-12.5,7.5) F2(-11.5,7.5) F3(-10.5,7.5) F4(-9.5,7.5) F5(-8.5,7.5) F6(-7.5,7.5) F7(-6.5,7.5) F8(-5.5,7.5) F9(-4.5,7.5) F10(-3.5,7.5) F11(-2.5,7.5) F12(-1.5,7.5) F13(-0.5,7.5) F14(0.5,7.5) F15(1.5,7.5) F16(2.5,7.5) F17(3.5,7.5) F18(4.5,7.5) F19(5.5,7.5) F20(6.5,7.5) F21(7.5,7.5) F22(8.5,7.5) F23(9.5,7.5) F24(10.5,7.5) F25(11.5,7.5) F26(12.5,7.5) G1(-12.5,6.5) G2(-11.5,6.5) G3(-10.5,6.5) G4(-9.5,6.5) G5(-8.5,6.5) G6(-7.5,6.5) G7(-6.5,6.5) G8(-5.5,6.5) G9(-4.5,6.5) G10(-3.5,6.5) G11(-2.5,6.5) G12(-1.5,6.5) G13(-0.5,6.5) G14(0.5,6.5) G15(1.5,6.5) G16(2.5,6.5) G17(3.5,6.5) G18(4.5,6.5) G19(5.5,6.5) G20(6.5,6.5) G21(7.5,6.5) G22(8.5,6.5) G23(9.5,6.5) G24(10.5,6.5) G25(11.5,6.5) G26(12.5,6.5) H1(-12.5,5.5) H2(-11.5,5.5) H3(-10.5,5.5) H4(-9.5,5.5) H5(-8.5,5.5) H6(-7.5,5.5) H7(-6.5,5.5) H8(-5.5,5.5) H9(-4.5,5.5) H10(-3.5,5.5) H11(-2.5,5.5) H12(-1.5,5.5) H13(-0.5,5.5) H14(0.5,5.5) H15(1.5,5.5) H16(2.5,5.5) H17(3.5,5.5) H18(4.5,5.5) H19(5.5,5.5) H20(6.5,5.5) H21(7.5,5.5) H22(8.5,5.5) H23(9.5,5.5) H24(10.5,5.5) H25(11.5,5.5) H26(12.5,5.5) J1(-12.5,4.5) J2(-11.5,4.5) J3(-10.5,4.5) J4(-9.5,4.5) J5(-8.5,4.5) J6(-7.5,4.5) J7(-6.5,4.5) J8(-5.5,4.5) J9(-4.5,4.5) J10(-3.5,4.5) J11(-2.5,4.5) J12(-1.5,4.5) J13(-0.5,4.5) J14(0.5,4.5) J15(1.5,4.5) J16(2.5,4.5) J17(3.5,4.5) J18(4.5,4.5) J19(5.5,4.5) J20(6.5,4.5) J21(7.5,4.5) J22(8.5,4.5) J23(9.5,4.5) J24(10.5,4.5) J25(11.5,4.5) J26(12.5,4.5) K1(-12.5,3.5) K2(-11.5,3.5) K3(-10.5,3.5) K4(-9.5,3.5) K5(-8.5,3.5) K6(-7.5,3.5) K7(-6.5,3.5) K8(-5.5,3.5) K9(-4.5,3.5) K10(-3.5,3.5) K11(-2.5,3.5) K12(-1.5,3.5) K13(-0.5,3.5) K14(0.5,3.5) K15(1.5,3.5) K16(2.5,3.5) K17(3.5,3.5) K18(4.5,3.5) K19(5.5,3.5) K20(6.5,3.5) K21(7.5,3.5) K22(8.5,3.5) K23(9.5,3.5) K24(10.5,3.5) K25(11.5,3.5) K26(12.5,3.5) L1(-12.5,2.5) L2(-11.5,2.5) L3(-10.5,2.5) L4(-9.5,2.5) L5(-8.5,2.5) L6(-7.5,2.5) L7(-6.5,2.5) L8(-5.5,2.5) L9(-4.5,2.5) L10(-3.5,2.5) L11(-2.5,2.5) L12(-1.5,2.5) L13(-0.5,2.5) L14(0.5,2.5) L15(1.5,2.5) L16(2.5,2.5) L17(3.5,2.5) L18(4.5,2.5) L19(5.5,2.5) L20(6.5,2.5) L21(7.5,2.5) L22(8.5,2.5) L23(9.5,2.5) L24(10.5,2.5) L25(11.5,2.5) L26(12.5,2.5) M1(-12.5,1.5) M2(-11.5,1.5) M3(-10.5,1.5) M4(-9.5,1.5) M5(-8.5,1.5) M6(-7.5,1.5) M7(-6.5,1.5) M8(-5.5,1.5) M9(-4.5,1.5) M10(-3.5,1.5) M11(-2.5,1.5) M12(-1.5,1.5) M13(-0.5,1.5) M14(0.5,1.5) M15(1.5,1.5) M16(2.5,1.5) M17(3.5,1.5) M18(4.5,1.5) M19(5.5,1.5) M20(6.5,1.5) M21(7.5,1.5) M22(8.5,1.5) M23(9.5,1.5) M24(10.5,1.5) M25(11.5,1.5) M26(12.5,1.5) N1(-12.5,0.5) N2(-11.5,0.5) N3(-10.5,0.5) N4(-9.5,0.5) N5(-8.5,0.5) N6(-7.5,0.5) N7(-6.5,0.5) N8(-5.5,0.5) N9(-4.5,0.5) N10(-3.5,0.5) N11(-2.5,0.5) N12(-1.5,0.5) N13(-0.5,0.5) N14(0.5,0.5) N15(1.5,0.5) N16(2.5,0.5) N17(3.5,0.5) N18(4.5,0.5) N19(5.5,0.5) N20(6.5,0.5) N21(7.5,0.5) N22(8.5,0.5) N23(9.5,0.5) N24(10.5,0.5) N25(11.5,0.5) N26(12.5,0.5) P1(-12.5,-0.5) P2(-11.5,-0.5) P3(-10.5,-0.5) P4(-9.5,-0.5) P5(-8.5,-0.5) P6(-7.5,-0.5) P7(-6.5,-0.5) P8(-5.5,-0.5) P9(-4.5,-0.5) P10(-3.5,-0.5) P11(-2.5,-0.5) P12(-1.5,-0.5) P13(-0.5,-0.5) P14(0.5,-0.5) P15(1.5,-0.5) P16(2.5,-0.5) P17(3.5,-0.5) P18(4.5,-0.5) P19(5.5,-0.5) P20(6.5,-0.5) P21(7.5,-0.5) P22(8.5,-0.5) P23(9.5,-0.5) P24(10.5,-0.5) P25(11.5,-0.5) P26(12.5,-0.5) R1(-12.5,-1.5) R2(-11.5,-1.5) R3(-10.5,-1.5) R4(-9.5,-1.5) R5(-8.5,-1.5) R6(-7.5,-1.5) R7(-6.5,-1.5) R8(-5.5,-1.5) R9(-4.5,-1.5) R10(-3.5,-1.5) R11(-2.5,-1.5) R12(-1.5,-1.5) R13(-0.5,-1.5) R14(0.5,-1.5) R15(1.5,-1.5) R16(2.5,-1.5) R17(3.5,-1.5) R18(4.5,-1.5) R19(5.5,-1.5) R20(6.5,-1.5) R21(7.5,-1.5) R22(8.5,-1.5) R23(9.5,-1.5) R24(10.5,-1.5) R25(11.5,-1.5) R26(12.5,-1.5) T1(-12.5,-2.5) T2(-11.5,-2.5) T3(-10.5,-2.5) T4(-9.5,-2.5) T5(-8.5,-2.5) T6(-7.5,-2.5) T7(-6.5,-2.5) T8(-5.5,-2.5) T9(-4.5,-2.5) T10(-3.5,-2.5) T11(-2.5,-2.5) T12(-1.5,-2.5) T13(-0.5,-2.5) T14(0.5,-2.5) T15(1.5,-2.5) T16(2.5,-2.5) T17(3.5,-2.5) T18(4.5,-2.5) T19(5.5,-2.5) T20(6.5,-2.5) T21(7.5,-2.5) T22(8.5,-2.5) T23(9.5,-2.5) T24(10.5,-2.5) T25(11.5,-2.5) T26(12.5,-2.5) U1(-12.5,-3.5) U2(-11.5,-3.5) U3(-10.5,-3.5) U4(-9.5,-3.5) U5(-8.5,-3.5) U6(-7.5,-3.5) U7(-6.5,-3.5) U8(-5.5,-3.5) U9(-4.5,-3.5) U10(-3.5,-3.5) U11(-2.5,-3.5) U12(-1.5,-3.5) U13(-0.5,-3.5) U14(0.5,-3.5) U15(1.5,-3.5) U16(2.5,-3.5) U17(3.5,-3.5) U18(4.5,-3.5) U19(5.5,-3.5) U20(6.5,-3.5) U21(7.5,-3.5) U22(8.5,-3.5) U23(9.5,-3.5) U24(10.5,-3.5) U25(11.5,-3.5) U26(12.5,-3.5) V1(-12.5,-4.5) V2(-11.5,-4.5) V3(-10.5,-4.5) V4(-9.5,-4.5) V5(-8.5,-4.5) V6(-7.5,-4.5) V7(-6.5,-4.5) V8(-5.5,-4.5) V9(-4.5,-4.5) V10(-3.5,-4.5) V11(-2.5,-4.5) V12(-1.5,-4.5) V13(-0.5,-4.5) V14(0.5,-4.5) V15(1.5,-4.5) V16(2.5,-4.5) V17(3.5,-4.5) V18(4.5,-4.5) V19(5.5,-4.5) V20(6.5,-4.5) V21(7.5,-4.5) V22(8.5,-4.5) V23(9.5,-4.5) V24(10.5,-4.5) V25(11.5,-4.5) V26(12.5,-4.5) W1(-12.5,-5.5) W2(-11.5,-5.5) W3(-10.5,-5.5) W4(-9.5,-5.5) W5(-8.5,-5.5) W6(-7.5,-5.5) W7(-6.5,-5.5) W8(-5.5,-5.5) W9(-4.5,-5.5) W10(-3.5,-5.5) W11(-2.5,-5.5) W12(-1.5,-5.5) W13(-0.5,-5.5) W14(0.5,-5.5) W15(1.5,-5.5) W16(2.5,-5.5) W17(3.5,-5.5) W18(4.5,-5.5) W19(5.5,-5.5) W20(6.5,-5.5) W21(7.5,-5.5) W22(8.5,-5.5) W23(9.5,-5.5) W24(10.5,-5.5) W25(11.5,-5.5) W26(12.5,-5.5) Y1(-12.5,-6.5) Y2(-11.5,-6.5) Y3(-10.5,-6.5) Y4(-9.5,-6.5) Y5(-8.5,-6.5) Y6(-7.5,-6.5) Y7(-6.5,-6.5) Y8(-5.5,-6.5) Y9(-4.5,-6.5) Y10(-3.5,-6.5) Y11(-2.5,-6.5) Y12(-1.5,-6.5) Y13(-0.5,-6.5) Y14(0.5,-6.5) Y15(1.5,-6.5) Y16(2.5,-6.5) Y17(3.5,-6.5) Y18(4.5,-6.5) Y19(5.5,-6.5) Y20(6.5,-6.5) Y21(7.5,-6.5) Y22(8.5,-6.5) Y23(9.5,-6.5) Y24(10.5,-6.5) Y25(11.5,-6.5) Y26(12.5,-6.5)